# Allegro board 1155001-Timing_board_V3_20241024_1805_pcb.brd (continued)
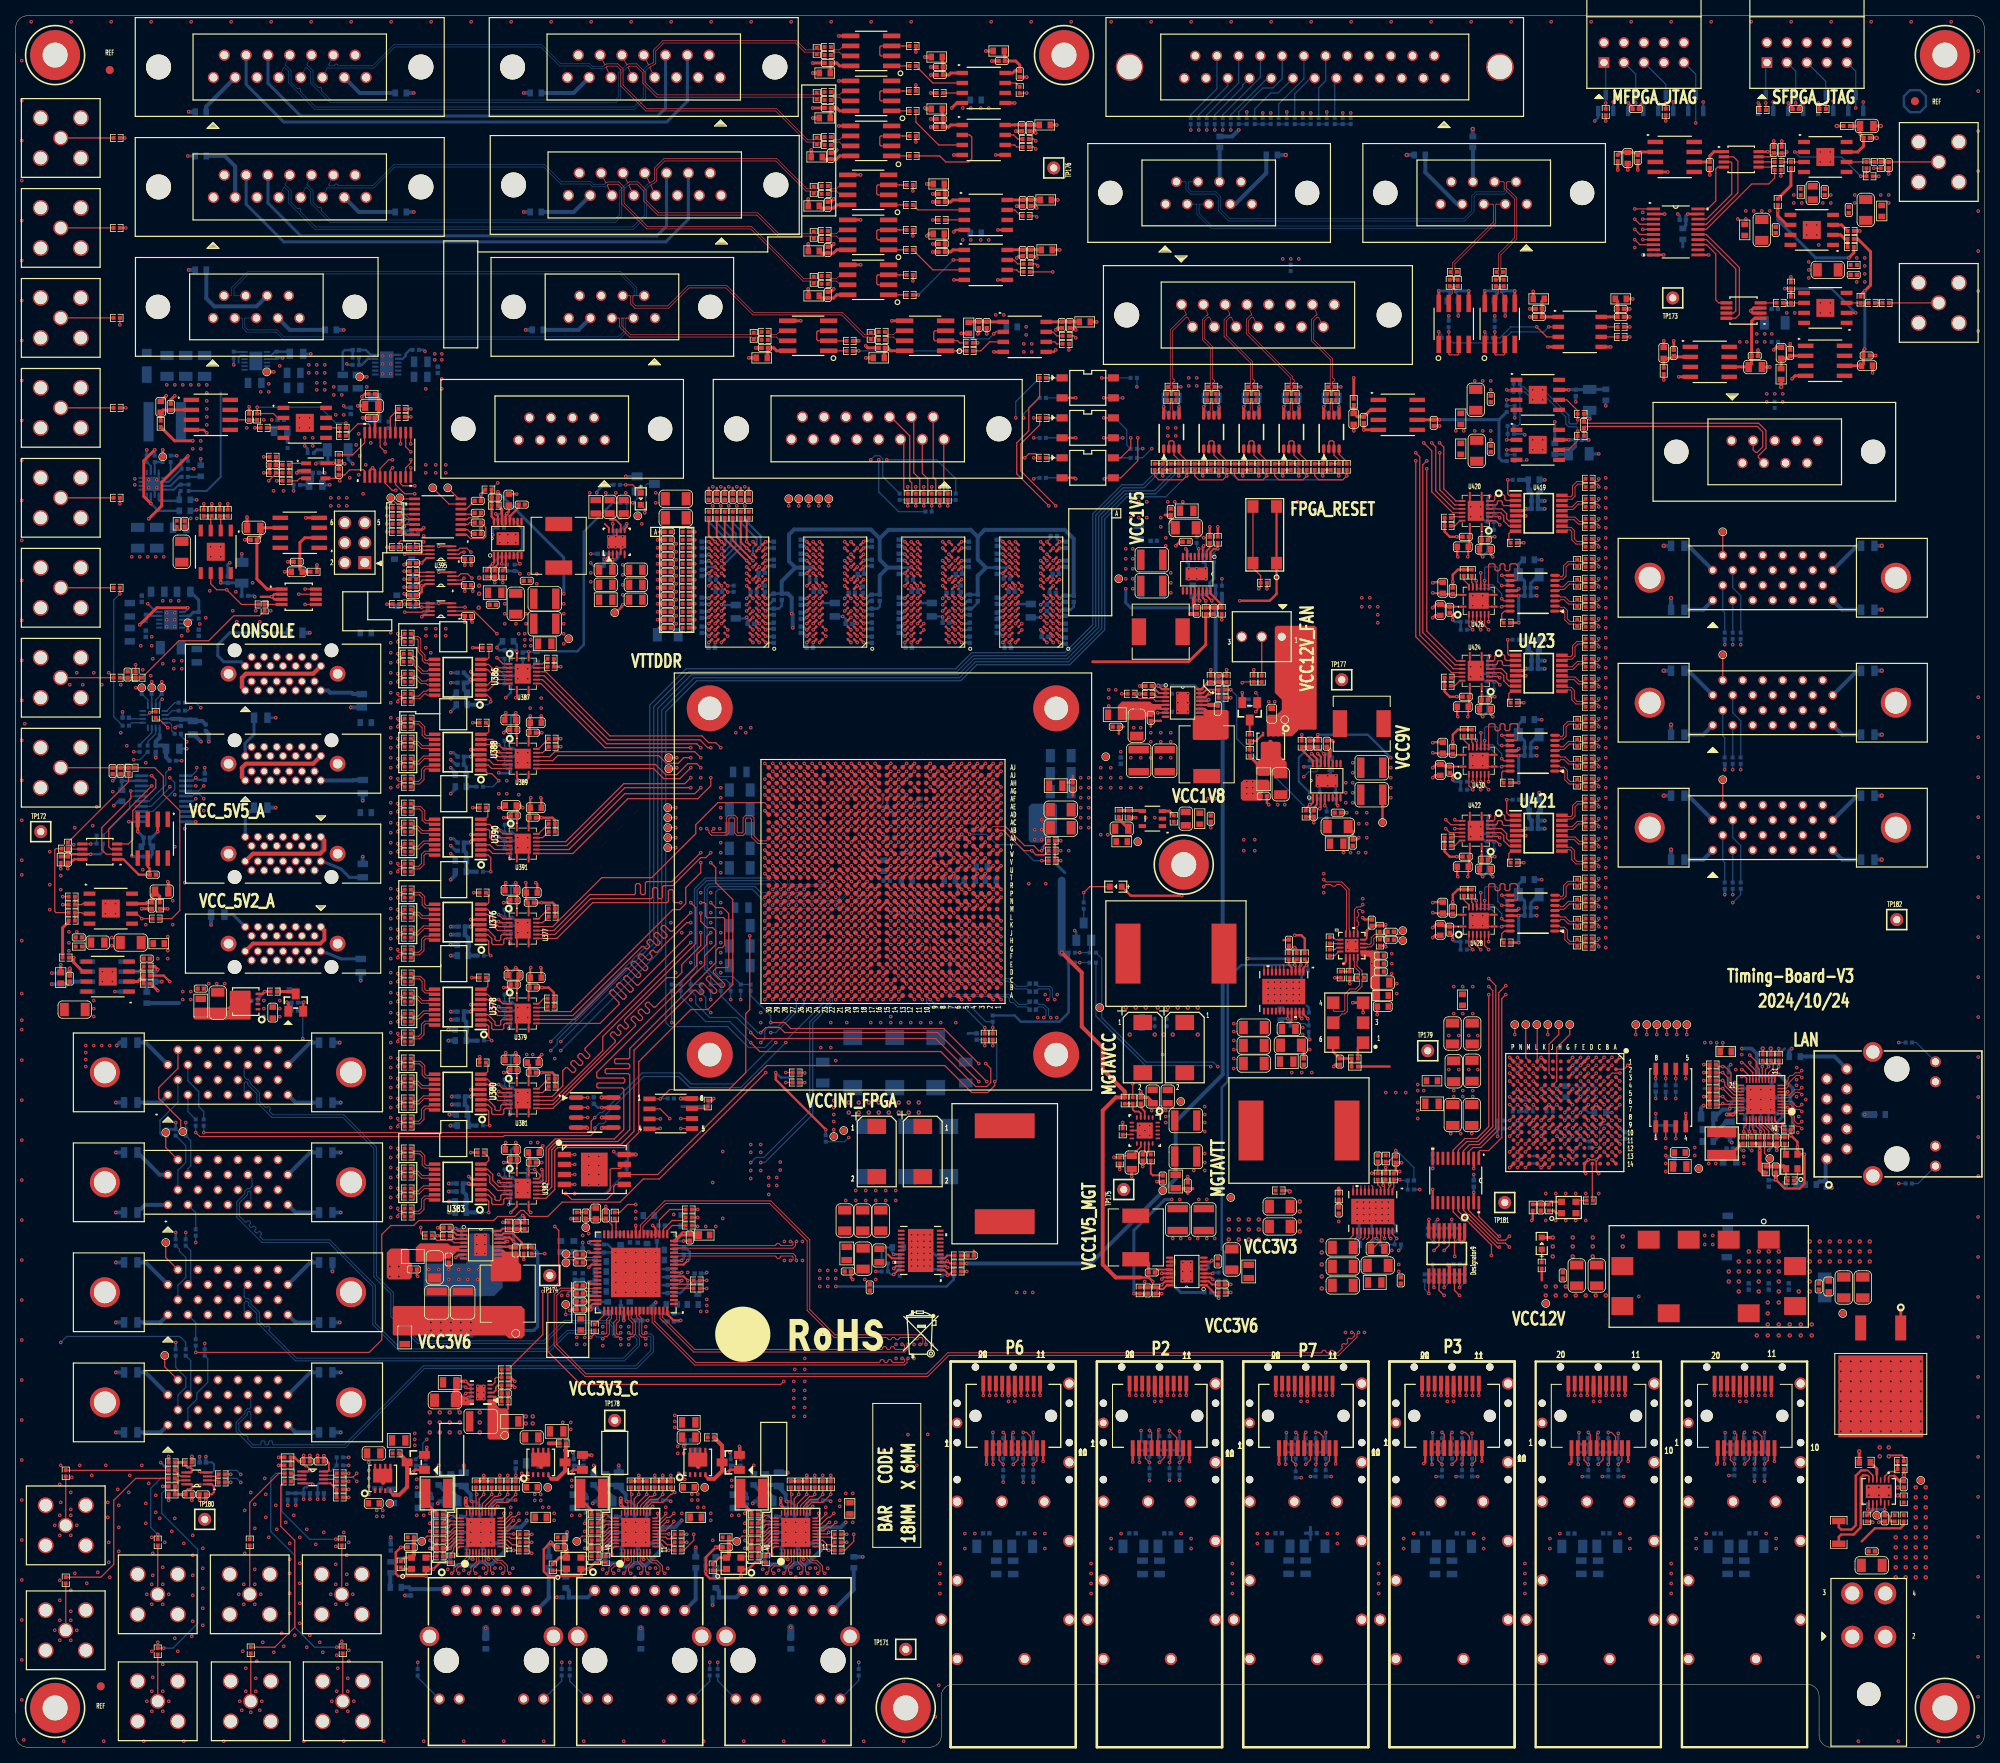
[diagram p0: board, top side]
## Routing (per net, layer and track width the routed paths; a pad name or vN(x,y) marks a point on that pad's centre or on a via; arc(x,y) is an arc through that point) (continued)
RF_MOD_IN_FIXED_7_N: length 31.3
  TOP w0.122: v1(201.04,127.13) 201.04,127.35 200.92,127.47 200.51,127.47 R3324.1
  ART10 w0.099: J114.18 221.01,133.27 221.01,132.01 220.91,131.91 220.66,131.91 219.11,130.37 219.11,129.63 218.26,128.78 211.94,128.78 211.62,129.1 206.67,129.1 206.37,128.8 206.37,127.42 206.27,127.32 205.88,127.32 205.78,127.42 205.78,128.8 205.48,129.1 200.49,129.1 200.19,128.8 200.19,127.59 200.49,127.29 200.88,127.29 v1(201.04,127.13)
RF_MOD_IN_FIXED_7_P: length 31.3
  TOP w0.122: v1(201.04,128.14) 201.04,127.92 200.92,127.8 200.51,127.8 R3323.1
  ART10 w0.099: J114.5 221.01,130.26 221.01,131.47 220.91,131.57 220.8,131.57 219.46,130.23 219.46,129.49 218.4,128.44 211.8,128.44 211.48,128.75 206.81,128.75 206.71,128.65 206.71,127.27 206.41,126.97 205.73,126.97 205.43,127.27 205.43,128.65 205.33,128.75 204.48,128.75 204.39,128.65 204.39,128.6 204.29,128.5 204.09,128.5 203.99,128.6 203.99,128.65 203.89,128.75 203.69,128.75 203.59,128.65 203.59,128.6 203.49,128.5 203.3,128.5 203.2,128.6 203.2,128.65 203.1,128.75 202.9,128.75 202.8,128.65 202.8,128.6 202.7,128.5 202.5,128.5 202.4,128.6 202.4,128.65 202.31,128.75 200.63,128.75 200.53,128.65 200.53,127.73 200.63,127.64 200.94,127.64 201.04,127.73 v1(201.04,128.14)
RF_MOD_IN_FIXED_7_P_S: length 7.9
  TOP w0.157: U429.11 v1(188.72,127.28) ; U430.11 v1(186.55,127.89)
  BOTTOM w0.157: v1(186.55,127.89) 186.55,129.51 186.71,129.67 188.06,129.67 188.22,129.51 188.22,127.51 188.44,127.28 v1(188.72,127.28)
RF_MOD_IN_FIXED_7_P_S_C: length 167.1
  TOP w0.157: v1(187.05,121.67) 186.55,122.17 U430.6 ; U247.AK20 v1(105.14,125)
  ART05 w0.117: v1(105.14,125) 105.14,126.29 92.81,138.62 86.52,138.62 85.5,139.65 85.5,154.46 86.74,155.7 129.91,155.7 130.65,156.44 135.79,156.44 138.68,153.54 142.49,153.54 144.27,151.76 158.88,151.76 180.59,130.05 180.59,129.78 180.48,129.67 180.05,129.67 179.93,129.55 179.93,129.32 180.05,129.2 180.48,129.2 180.59,129.08 180.59,128.85 180.48,128.73 180.05,128.73 179.93,128.62 179.93,128.38 180.05,128.27 180.48,128.27 180.59,128.15 180.59,126.11 183.39,123.32 183.39,121.79 184.53,120.65 186.03,120.65 v1(187.05,121.67)
RF_MOD_IN_VARIABLE: length 22
  TOP w0.157: v1(51.56,144.85) U396.6
  ART08 w0.117: J115.5 43.05,154.32 43.05,152.65 42.29,151.89 41.26,151.89 40.64,151.27 40.64,149.73 44.58,145.8 50.62,145.8 v1(51.56,144.85)
RF_MOD_IN_VARIABLE_1_N: length 140.9
  TOP w0.122: U247.V30 v1(95.14,113)
  ART10 w0.099: 94.64,113.4 94.61,113.4 94.54,113.33 94.28,113.33 92.84,111.89 92.84,110.62 89.95,107.73 76.47,107.73 66.82,98.08 60.61,98.08 56.83,94.31 55.04,94.31 49.29,88.56 47.54,88.56 46.44,87.46 46.44,81.52 44.92,79.99 44.92,52.44 42.05,49.57 39.37,49.57 39.07,49.87 39.07,51.19 38.94,51.32 38.57,51.32 38.47,51.22 38.47,49.87 38.17,49.57 37.49,49.57 37.19,49.87 37.19,51.19 37.07,51.32 36.7,51.32 36.6,51.22 36.6,49.87 36.3,49.57 35.62,49.57 35.32,49.87 35.32,51.19 35.19,51.32 34.82,51.32 34.72,51.22 34.72,49.87 34.42,49.57 33.74,49.57 33.44,49.87 33.44,51.19 33.32,51.32 32.95,51.32 32.85,51.22 32.85,49.87 32.55,49.57 31.87,49.57 31.57,49.87 31.57,51.19 31.44,51.32 31.07,51.32 30.97,51.22 30.97,49.87 30.67,49.57 26.43,49.57 24.6,47.74 24.6,46.19 23.14,44.73 22.86,44.73 22.76,44.62 22.76,43.97 23.14,43.59 J62.4
  ART10 w0.102: 94.64,113.4 95.37,113.4 95.54,113.23 95.54,113.13 95.4,113 v1(95.14,113)
RF_MOD_IN_VARIABLE_1_P: length 141.4
  TOP w0.122: U247.V29 v1(96.14,113)
  ART10 w0.099: J62.17 23.14,46.08 22.73,45.67 22.73,45.19 22.86,45.07 23,45.07 24.26,46.33 24.26,47.88 26.29,49.91 27.21,49.91 27.39,50.09 27.61,50.09 27.79,49.91 28.01,49.91 28.19,50.09 28.4,50.09 28.58,49.91 28.8,49.91 28.98,50.09 29.2,50.09 29.38,49.91 30.53,49.91 30.63,50.01 30.63,51.36 30.93,51.66 31.59,51.66 31.91,51.33 31.91,50.01 32.01,49.91 32.41,49.91 32.5,50.01 32.5,51.36 32.8,51.66 33.46,51.66 33.78,51.33 33.78,50.01 33.88,49.91 34.28,49.91 34.38,50.01 34.38,51.36 34.68,51.66 35.33,51.66 35.66,51.33 35.66,50.01 35.76,49.91 36.15,49.91 36.25,50.01 36.25,51.36 36.55,51.66 37.21,51.66 37.53,51.33 37.53,50.01 37.63,49.91 38.03,49.91 38.13,50.01 38.13,51.36 38.43,51.66 39.08,51.66 39.41,51.33 39.41,50.01 39.51,49.91 41.91,49.91 44.58,52.58 44.58,80.14 46.1,81.66 46.1,87.6 47.4,88.9 49.15,88.9 54.9,94.65 56.69,94.65 60.46,98.42 66.67,98.42 76.33,108.08 89.81,108.08 92.49,110.76 92.49,112.03 94.14,113.67 94.54,113.67 94.61,113.6 94.64,113.6
  ART10 w0.102: 94.64,113.6 95.45,113.6 95.74,113.32 95.74,113.1 95.84,113 v1(96.14,113)
RF_MOD_IN_VARIABLE_2_N: length 114.8
  TOP w0.122: U247.J26 v1(99.14,103)
  ART08 w0.099: 94.64,101.6 94.64,101.6 94.57,101.67 94.35,101.67 93.85,101.17 93.85,97.28 92.58,96.01 92.58,92.55 92.3,92.26 92.3,86.22 89.4,83.32 71.89,83.32 66.42,77.85 65.28,77.85 64.49,77.06 64.49,76.15 62.09,73.75 61.26,73.75 60.2,72.69 60.2,71.37 57.66,68.83 53.85,68.83 52.45,67.44 51.44,67.44 48.77,64.77 24.74,64.77 20.95,68.56 20.95,69.29 22,70.33 22,71.04 23.1,72.15 23.1,72.43 23.23,72.56 23.42,72.56 23.52,72.46 23.52,71.2 J73.4 ; 99.54,101.87 99.54,102.11
  ART08 w0.102: v1(99.14,103) 99.14,103.3 99.24,103.4 99.39,103.4 99.54,103.25 99.54,102.11 ; 94.64,101.6 99.41,101.6 99.54,101.73 99.54,101.87
RF_MOD_IN_VARIABLE_2_P: length 117.4
  TOP w0.122: U247.K26 v1(99.14,104)
  ART08 w0.099: 94.64,101.33 94.5,101.33 94.2,101.03 94.2,97.14 92.93,95.87 92.93,92.41 92.64,92.12 92.64,86.08 89.54,82.98 72.04,82.98 66.56,77.51 65.42,77.51 64.83,76.92 64.83,76 62.23,73.41 61.4,73.41 60.54,72.54 60.54,71.23 57.8,68.49 53.99,68.49 52.59,67.09 51.58,67.09 48.91,64.43 24.6,64.43 23.53,65.49 23.39,65.49 23.35,65.46 23.21,65.46 23.07,65.6 23.07,65.74 23.11,65.77 23.11,65.91 22.97,66.05 22.83,66.05 22.79,66.02 22.65,66.02 22.51,66.16 22.51,66.3 22.55,66.34 22.55,66.48 22.41,66.62 22.27,66.62 22.23,66.58 22.09,66.58 21.95,66.72 21.95,66.86 21.99,66.9 21.99,67.04 20.61,68.41 20.61,69.43 21.65,70.47 21.65,71.18 22.76,72.29 22.76,72.58 23.08,72.9 23.42,72.9 23.52,73 23.52,74.26 J73.17
  ART08 w0.102: v1(99.14,104) 99.14,103.7 99.24,103.6 99.47,103.6 99.74,103.33 99.74,101.64 99.5,101.4 94.73,101.4 94.66,101.33 94.64,101.33
RF_MOD_IN_VARIABLE_3_N: length 109.5
  TOP w0.122: U247.AC27 v1(98.14,118)
  ART10 w0.099: 94.64,117.6 94.61,117.6 94.54,117.67 91.26,117.67 89.79,116.2 85.37,116.2 84.31,115.15 80.12,115.15 65.52,100.55 61.24,100.55 57.43,96.74 53.07,96.74 50.53,94.2 47.08,94.2 44.74,91.86 44.74,83.71 39.35,78.32 28.24,78.32 28.14,78.42 28.14,78.62 28.04,78.71 27.85,78.71 27.75,78.62 27.75,78.42 27.65,78.32 27.45,78.32 27.35,78.42 27.35,78.62 27.25,78.71 27.05,78.71 26.95,78.62 26.95,78.42 26.86,78.32 26.66,78.32 26.56,78.42 26.56,78.62 26.46,78.71 26.26,78.71 26.16,78.62 26.16,78.42 26.06,78.32 25.18,78.32 20.95,82.55 20.95,83.31 22.1,84.45 22.1,85.21 23.29,86.4 23.41,86.4 23.52,86.3 23.52,85.77 23.14,85.39 J74.4
  ART10 w0.102: v1(98.14,118) 98.14,117.7 98.04,117.6 94.64,117.6
RF_MOD_IN_VARIABLE_3_P: length 109.2
  TOP w0.122: U247.AB27 v1(98.14,117)
  ART10 w0.099: J74.17 23.14,87.88 23.52,87.5 23.52,86.84 23.42,86.74 23.15,86.74 21.76,85.35 21.76,84.6 20.61,83.45 20.61,82.41 25.04,77.98 39.5,77.98 45.09,83.57 45.09,91.72 47.22,93.85 50.67,93.85 53.21,96.39 57.57,96.39 61.38,100.2 65.66,100.2 80.26,114.81 84.45,114.81 85.51,115.86 89.93,115.86 91.4,117.33 94.54,117.33 94.61,117.4 94.64,117.4
  ART10 w0.102: 94.64,117.4 98.04,117.4 98.14,117.3 v1(98.14,117)
RF_MOD_IN_VARIABLE_4_N: length 133.5
  TOP w0.122: U247.P22 v1(104.14,108)
  ART08 w0.099: J94.4 23.52,57.23 23.52,58.62 23.42,58.72 23.28,58.72 23.18,58.62 23.18,58.26 22.19,57.26 22.19,56.53 23.2,55.51 23.2,53.86 23.85,53.22 23.99,53.22 24.19,53.42 24.33,53.42 24.47,53.28 24.47,53.14 24.27,52.94 24.27,52.8 24.41,52.66 24.55,52.66 24.75,52.86 24.89,52.86 25.03,52.72 25.03,52.58 24.83,52.38 24.83,52.24 24.97,52.1 25.11,52.1 25.31,52.3 25.45,52.3 25.59,52.16 25.59,52.02 25.39,51.82 25.39,51.68 26.05,51.02 44.54,51.02 53.72,60.2 55.12,60.2 55.5,60.58 55.5,61.09 56.52,62.1 60.45,62.1 61.85,63.5 64.64,63.5 70.74,69.6 75.21,69.6 82.41,76.8 90.04,76.8 92.2,78.96 93.15,78.96 98.81,84.62 98.81,86.67 104.06,91.92 104.06,92.41 103.45,93.01 103.45,93.58
  ART08 w0.102: v1(104.14,108) 104.14,108.3 104.24,108.4 106.47,108.4 106.54,108.33 106.54,106.77 106.37,106.6 103.83,106.6 103.54,106.3 103.54,94.64 103.53,94.61 103.46,94.54 103.46,94.53 103.45,94.39 103.45,93.58
RF_MOD_IN_VARIABLE_4_P: length 133.1
  TOP w0.122: U247.P21 v1(104.14,109)
  ART08 w0.099: 103.8,93.58 103.8,93.56 103.8,93.55 103.8,93.44 103.8,93.43 103.8,93.15 104.4,92.55 104.4,91.78 99.15,86.53 99.15,84.47 93.29,78.61 92.34,78.61 90.19,76.45 82.55,76.45 75.35,69.25 70.88,69.25 64.79,63.16 61.99,63.16 60.59,61.76 56.66,61.76 55.84,60.94 55.84,60.44 55.26,59.86 53.86,59.86 44.68,50.67 25.91,50.67 22.86,53.72 22.86,55.37 21.84,56.39 21.84,57.4 22.84,58.4 22.84,58.76 23.14,59.06 23.42,59.06 23.52,59.16 23.52,60.29 J94.17
  ART08 w0.102: 103.8,93.58 103.8,94.38 103.81,94.53 103.74,94.6 103.74,94.63 103.74,106.22 103.92,106.4 106.45,106.4 106.74,106.69 106.74,108.45 106.59,108.6 104.24,108.6 104.14,108.7 v1(104.14,109)
RF_MOD_IN_VARIABLE_5_N: length 29.4
  TOP w0.122: v1(201.04,151) 201.04,150.78 200.92,150.66 200.51,150.66 R3310.1
  ART10 w0.099: J112.4 219.74,148.04 219.74,149.32 219.64,149.42 219.3,149.42 217.92,150.8 217.92,152.01 217.5,152.43 212.7,152.43 212.6,152.33 212.6,151.38 212.3,151.08 211.62,151.08 211.32,151.38 211.32,152.33 211.22,152.43 210.77,152.43 209.94,151.59 205.21,151.59 205.11,151.49 205.11,151.46 205.01,151.36 204.81,151.36 204.71,151.46 204.71,151.49 204.62,151.59 204.42,151.59 204.32,151.49 204.32,151.46 204.22,151.36 204.02,151.36 203.92,151.46 203.92,151.49 203.82,151.59 203.62,151.59 203.53,151.49 203.53,151.46 203.43,151.36 203.23,151.36 203.13,151.46 203.13,151.49 203.03,151.59 202.83,151.59 202.73,151.49 202.73,151.46 202.63,151.36 202.44,151.36 202.34,151.46 202.34,151.49 202.24,151.59 200.82,151.59 200.53,151.3 200.53,150.74 200.63,150.64 200.94,150.64 201.04,150.74 v1(201.04,151)
RF_MOD_IN_VARIABLE_5_P: length 29.4
  TOP w0.122: v1(201.04,149.99) 201.04,150.21 200.92,150.33 200.51,150.33 R3309.1
  ART10 w0.099: J112.17 219.74,151.04 219.74,149.91 219.59,149.76 219.45,149.76 218.26,150.95 218.26,152.15 217.64,152.77 212.56,152.77 212.26,152.47 212.26,151.52 212.16,151.42 211.76,151.42 211.66,151.52 211.66,152.47 211.36,152.77 210.63,152.77 209.8,151.94 200.68,151.94 200.19,151.45 200.19,150.6 200.49,150.3 200.94,150.3 201.04,150.2 v1(201.04,149.99)
RF_MOD_IN_VARIABLE_5_P_S: length 12.3
  TOP w0.157: U426.10 187.05,150.21 187.21,150.37 187.71,150.37 187.87,150.21 187.87,149.64 188.02,149.48 188.34,149.48 188.5,149.64 188.5,150.21 188.65,150.37 188.97,150.37 189.13,150.21 189.13,149.64 189.28,149.48 189.6,149.48 189.76,149.64 189.76,150.21 189.91,150.37 190.5,150.37 190.75,150.11 190.75,148.41 190.6,148.25 U425.10
RF_MOD_IN_VARIABLE_5_P_S_C: length 159.5
  TOP w0.157: U426.7 v1(187.05,143) ; U247.AK25 v1(100.14,125)
  ART05 w0.117: v1(187.05,143) 187.05,143.33 185.93,144.45 183.77,144.45 180.77,147.45 179.51,147.45 179.4,147.33 179.4,146.8 179.28,146.69 179.05,146.69 178.93,146.8 178.93,147.33 178.81,147.45 178.58,147.45 178.46,147.33 178.46,146.8 178.34,146.69 178.11,146.69 177.99,146.8 177.99,147.33 177.88,147.45 167.51,147.45 155.85,159.11 137.49,159.11 136.96,159.64 129.34,159.64 128.5,158.8 85.47,158.8 82.46,155.79 82.46,154.34 81.94,153.82 81.94,139.45 85.5,135.89 91.62,135.89 100.14,127.37 v1(100.14,125)
RF_MOD_IN_VARIABLE_6_N: length 33.9
  TOP w0.122: R3318.1 200.51,110.02 200.92,110.02 201.04,110.14 v1(201.04,110.36)
  ART10 w0.099: v1(201.04,110.36) 201.04,110.13 200.92,110 200.63,110 200.53,110.1 200.53,110.78 200.71,110.95 202.18,110.95 202.28,110.85 202.28,110.82 202.38,110.72 202.58,110.72 202.68,110.82 202.68,110.85 202.78,110.95 202.98,110.95 203.07,110.85 203.07,110.82 203.17,110.72 203.37,110.72 203.47,110.82 203.47,110.85 203.57,110.95 203.77,110.95 203.87,110.85 203.87,110.82 203.97,110.72 204.16,110.72 204.26,110.82 204.26,110.85 204.36,110.95 204.56,110.95 204.66,110.85 204.66,110.82 204.76,110.72 204.96,110.72 205.06,110.82 205.06,110.85 205.16,110.95 212.64,110.95 212.94,111.25 212.94,112.05 213.04,112.15 213.44,112.15 213.54,112.05 213.54,111.25 213.84,110.95 214.52,110.95 214.82,111.25 214.82,112.05 214.92,112.15 215.31,112.15 215.41,112.05 215.41,111.25 215.71,110.95 216.74,110.95 217.04,111.25 217.04,114.3 218.19,115.44 218.19,116.08 219.36,117.25 219.36,117.57 219.46,117.67 219.64,117.67 219.74,117.57 219.74,116.29 J113.4
RF_MOD_IN_VARIABLE_6_P: length 33.9
  TOP w0.122: R3317.1 200.51,109.69 200.92,109.69 201.04,109.57 v1(201.04,109.35)
  ART10 w0.099: J113.17 219.74,119.29 219.74,118.16 219.59,118.01 219.31,118.01 219.01,117.71 219.01,117.39 217.84,116.22 217.84,115.59 216.7,114.44 216.7,111.4 216.6,111.3 215.85,111.3 215.75,111.4 215.75,112.2 215.46,112.5 214.77,112.5 214.47,112.2 214.47,111.4 214.38,111.3 213.98,111.3 213.88,111.4 213.88,112.2 213.58,112.5 212.9,112.5 212.6,112.2 212.6,111.4 212.5,111.3 200.57,111.3 200.19,110.92 200.19,109.96 200.49,109.66 200.94,109.66 201.04,109.56 v1(201.04,109.35)
RF_MOD_IN_VARIABLE_6_P_S: length 12.3
  TOP w0.157: U427.10 190.6,107.61 190.76,107.77 190.76,109.47 190.5,109.73 189.91,109.73 189.76,109.57 189.76,109 189.6,108.84 189.28,108.84 189.13,109 189.13,109.57 188.97,109.73 188.65,109.73 188.5,109.57 188.5,109 188.34,108.84 188.03,108.84 187.87,109 187.87,109.57 187.71,109.73 187.21,109.73 187.05,109.57 U428.10
RF_MOD_IN_VARIABLE_6_P_S_C: length 193.3
  TOP w0.157: U247.AK24 v1(101.14,125) ; U428.7 v1(187.05,102.36)
  ART03 w0.117: v1(187.05,102.36) 186.55,101.86 186.56,101.85 186.56,101.22 186.18,100.84 184.78,100.84 183.64,101.98 183.64,102.36 182.63,103.37 182.47,103.37 181.62,102.52 181.45,102.52 181.29,102.68 181.29,102.85 182.14,103.7 182.14,103.87 181.97,104.03 181.81,104.03 180.96,103.18 180.79,103.18 180.63,103.35 180.63,103.51 181.48,104.36 181.48,104.53 181.31,104.69 181.15,104.69 180.74,104.29 180.57,104.29 180.41,104.45 180.41,104.62 180.82,105.02 180.82,105.19 180.47,105.54 179.57,105.54 179.45,105.65 179.45,106.55 178.33,107.67 178.33,139.12 176.56,140.9 176.56,142.72 171.28,148 147.82,148 147.06,148.76 142.87,148.76 142.36,149.27 137.54,149.27 132.83,153.97 87.84,153.97 87.3,153.44 87.3,136.58 85.34,134.61 85.34,130.79 86.97,129.16 89.66,129.16 92.21,126.61 99.83,126.61 101.14,125.3 v1(101.14,125)
RF_MOD_IN_VARIABLE_7_N: length 30.2
  TOP w0.122: R3326.1 200.51,130.34 200.92,130.34 201.04,130.46 v1(201.04,130.68)
  ART10 w0.099: J114.4 219.74,132.16 219.74,133.45 219.64,133.54 219.3,133.54 217.92,134.93 217.92,136.13 217.65,136.4 215.52,136.4 214.12,135 213.31,135 213.01,135.3 213.01,135.75 212.91,135.85 212.51,135.85 212.41,135.75 212.41,135.3 212.11,135 206.05,135 204.59,133.54 204.59,133.4 204.61,133.38 204.61,133.24 204.47,133.1 204.33,133.1 204.31,133.12 204.17,133.12 204.03,132.98 204.03,132.84 204.05,132.82 204.05,132.68 203.91,132.54 203.77,132.54 203.75,132.56 203.61,132.56 203.47,132.42 203.47,132.28 203.49,132.26 203.49,132.12 203.35,131.98 203.21,131.98 203.19,132 203.05,132 202.91,131.86 202.91,131.72 202.93,131.7 202.93,131.56 202.79,131.42 202.65,131.42 202.63,131.44 202.49,131.44 202.32,131.27 200.63,131.27 200.53,131.17 200.53,130.45 200.66,130.32 200.94,130.32 201.04,130.42 v1(201.04,130.68)
RF_MOD_IN_VARIABLE_7_P: length 30.2
  TOP w0.122: v1(201.04,129.67) 201.04,129.89 200.92,130.01 200.51,130.01 R3325.1
  ART10 w0.099: J114.17 219.74,135.17 219.74,134.04 219.59,133.89 219.45,133.89 218.26,135.07 218.26,136.27 217.79,136.74 215.38,136.74 213.98,135.34 213.45,135.34 213.35,135.44 213.35,135.9 213.05,136.19 212.37,136.19 212.07,135.9 212.07,135.44 211.97,135.34 205.91,135.34 202.18,131.62 200.49,131.62 200.19,131.32 200.19,130.3 200.52,129.98 200.94,129.98 201.04,129.88 v1(201.04,129.67)
RF_MOD_IN_VARIABLE_7_P_S: length 12.3
  TOP w0.157: U429.10 190.6,127.93 190.76,128.09 190.76,129.89 190.6,130.05 189.91,130.05 189.76,129.89 189.76,129.32 189.6,129.16 189.28,129.16 189.13,129.32 189.13,129.89 188.97,130.05 188.65,130.05 188.5,129.89 188.5,129.32 188.34,129.16 188.03,129.16 187.87,129.32 187.87,129.89 187.71,130.05 187.21,130.05 187.05,129.89 U430.10
RF_MOD_IN_VARIABLE_7_P_S_C: length 166.8
  TOP w0.157: U430.7 v1(187.05,122.68) ; U247.AK21 v1(104.14,125)
  ART05 w0.117: v1(104.14,125) 104.14,125.95 92.31,137.78 86.15,137.78 84.45,139.47 84.45,155.1 85.93,156.58 129.28,156.58 130,157.3 136.32,157.3 139.06,154.56 157.61,154.56 181.61,130.56 181.61,129.05 181.73,128.93 182.64,128.93 182.75,128.82 182.75,128.58 182.64,128.47 181.73,128.47 181.61,128.35 181.61,126.62 184.53,123.7 184.53,122.43 184.78,122.17 186.54,122.17 v1(187.05,122.68)
RF_MOD_IN_VARIABLE_LS: length 67.3
  TOP w0.122: U247.K30 v1(95.14,104)
  TOP w0.157: v1(57.05,144.85) U396.3
  ART03 w0.117: v1(57.05,144.85) 57.74,144.85 59.69,142.9 59.69,137.92 61.59,136.02 61.59,130.43 62.92,129.11 62.92,122.71 63.65,121.97 64.72,121.97 66.8,119.89 67.18,119.89 81.67,105.4 86.98,105.4 88.38,104 v1(95.14,104)
RF_READY: length 8.7
  TOP w0.157: v1(51.56,152.1) 51.57,152.09 U394.6
  ART08 w0.117: J115.3 50.61,153.05 v1(51.56,152.1)
RF_READY_LS: length 75.8
  TOP w0.122: U247.M27 v1(99.14,107)
  TOP w0.157: U394.3 56.16,152.09 56.41,152.35 57.3,152.35 v1(57.81,151.84)
  ART03 w0.117: v1(88.27,108.58) 87.79,109.06 80.05,109.06 64.59,124.51 64.59,137.59 61.59,140.59 61.59,141.73 61.18,142.15 61.18,145.32 60.07,146.43 60.07,149.58 v1(57.81,151.84)
  ART05 w0.102: v1(99.14,107) 98.68,107.46 98.68,108.2 98.48,108.4 94.87,108.4
  ART05 w0.117: v1(88.27,108.58) 88.45,108.4 94.87,108.4
RF_SYNC: length 18.8
  TOP w0.157: U396.7 51.77,144.35 51.64,144.22 v1(49.4,144.22)
  ART08 w0.117: v1(49.4,144.22) 45.52,144.22 40.26,149.48 40.26,151.53 J115.4
RF_SYNC_1_N_C: length 47.9
  TOP w0.122: R2948.2 49.04,72.86 48.64,72.86 48.51,72.74 v1(48.51,72.52)
  ART03 w0.099: J62.23 29.97,47.46 29.97,48.64 30.5,49.17 30.74,49.17 30.9,49.33 30.9,49.57 31.06,49.73 31.3,49.73 31.46,49.89 31.46,50.13 31.77,50.44 32.43,50.44 32.53,50.34 32.53,49.99 32.63,49.89 32.82,49.89 32.92,49.99 32.92,50.34 33.02,50.44 33.75,50.44 34.8,51.48 34.94,51.48 35.34,51.08 35.76,51.08 36.24,51.56 36.24,51.99 35.84,52.39 35.84,52.53 36.12,52.81 36.26,52.81 36.67,52.41 37.09,52.41 37.57,52.89 37.57,53.31 37.17,53.71 37.17,53.85 38.17,54.85 38.84,54.85 38.94,54.75 38.94,54.49 39.04,54.39 39.24,54.39 39.34,54.49 39.34,54.75 39.44,54.85 39.64,54.85 39.73,54.75 39.73,54.49 39.83,54.39 40.03,54.39 40.13,54.49 40.13,54.75 40.23,54.85 40.43,54.85 40.53,54.75 40.53,54.49 40.63,54.39 40.82,54.39 40.92,54.49 40.92,54.75 41.02,54.85 41.22,54.85 41.32,54.75 41.32,54.49 41.42,54.39 41.62,54.39 41.72,54.49 41.72,54.75 41.81,54.85 42.01,54.85 42.11,54.75 42.11,54.49 42.21,54.39 42.41,54.39 42.51,54.49 42.51,54.75 42.61,54.85 43.32,54.85 45.72,57.25 45.72,69.47 46.35,70.1 46.35,71.75 47.46,72.85 48.18,72.85 v1(48.51,72.52)
RF_SYNC_1_P: length 76.3
  TOP w0.122: U247.N27 v1(98.14,107)
  TOP w0.157: v1(87,107.31) 87.47,107.31 87.63,107.16 87.63,105.57 87.79,105.41 89.89,105.41 90.04,105.25 90.04,101.91 89.73,101.6 89.28,101.6 88.9,101.22 88.9,99.69 77.98,88.77 77.98,87.63 77.82,87.48 76.21,87.48 76.05,87.32 76.05,87 76.21,86.85 77.82,86.85 77.98,86.69 77.98,86.37 77.82,86.22 75.01,86.22 74.85,86.06 74.85,85.74 75.01,85.59 77.82,85.59 77.98,85.43 77.98,78.49 76.45,76.96 68.65,76.96 67.69,76.01 67.69,71.52 66.92,70.75 U382.12
  ART05 w0.102: 94.73,107.71 94.84,107.6 97.54,107.6 v1(98.14,107)
  ART05 w0.117: v1(87,107.31) 87.5,107.82 94.61,107.82 94.73,107.71
RF_SYNC_1_P_C: length 47.9
  TOP w0.122: R2947.2 49.04,73.19 48.64,73.19 48.51,73.31 v1(48.51,73.53)
  ART03 w0.099: J62.10 30.48,43.13 30.48,45.34 29.63,46.19 29.63,48.78 31.63,50.78 33.61,50.78 34.65,51.83 35.08,51.83 35.48,51.42 35.62,51.42 35.9,51.7 35.9,51.84 35.5,52.25 35.5,52.67 35.98,53.15 36.4,53.15 36.81,52.75 36.95,52.75 37.23,53.03 37.23,53.17 36.83,53.57 36.83,54 38.02,55.19 43.18,55.19 45.38,57.39 45.38,69.61 46.01,70.25 46.01,71.89 47.32,73.2 48.18,73.2 v1(48.51,73.53)
RF_SYNC_1_P_H: length 4.9
  TOP w0.157: U382.5 61.21,70.75 60.2,71.75 60.2,72.52 59.92,72.79 U383.6
RF_SYNC_2_N_C: length 42.8
  TOP w0.122: v1(48.51,94.74) 48.51,94.96 48.64,95.08 49.04,95.08 R2900.2
  ART03 w0.099: v1(48.51,94.74) 48.18,95.08 47.07,95.08 42.16,90.17 41.02,90.17 37.11,86.26 37.11,85.68 37.21,85.58 38.61,85.58 38.91,85.28 38.91,84.6 38.61,84.3 37.21,84.3 37.11,84.2 37.11,83.8 37.21,83.7 38.61,83.7 38.91,83.4 38.91,82.72 38.61,82.42 37.21,82.42 37.11,82.32 37.11,81.87 35.45,80.22 35.45,80.08 35.56,79.97 35.56,79.83 35.42,79.69 35.28,79.69 35.17,79.8 35.03,79.8 34.89,79.66 34.89,79.52 35,79.41 35,79.27 34.86,79.13 34.71,79.13 34.61,79.24 34.47,79.24 33.62,78.38 32.64,78.38 32.33,78.07 32.33,77.93 32.7,77.56 32.7,77.42 32.56,77.28 32.42,77.28 32.05,77.65 31.91,77.65 31.77,77.51 31.77,77.37 32.14,77 32.14,76.86 32,76.72 31.86,76.72 31.49,77.09 31.35,77.09 31.21,76.95 31.21,76.81 31.55,76.47 31.55,76.33 31.41,76.19 31.27,76.19 30.93,76.53 30.79,76.53 29.93,75.67 29.93,75.39 30.69,74.64 J73.23
RF_SYNC_2_P: length 55
  TOP w0.122: U247.V21 v1(104.14,113)
  TOP w0.157: U379.12 70.75,92.97 79.52,101.74 79.74,101.74 80.02,101.46 80.25,101.46 80.47,101.68 80.47,101.9 80.18,102.19 80.18,102.41 80.41,102.63 80.63,102.63 81.36,101.9 81.58,101.9 81.81,102.13 81.81,102.35 81.08,103.08 81.08,103.3 81.3,103.52 81.52,103.52 82.25,102.79 82.47,102.79 82.7,103.02 82.7,103.24 81.97,103.97 81.97,104.19 82.19,104.41 82.41,104.41 83.14,103.68 83.36,103.68 v1(85.72,106.05)
  ART08 w0.102: v1(104.14,113) 103.63,112.49 103.63,110.62 103.5,110.49 103,110.49 102.62,110.11 102.62,109.73 102.36,109.47 101.98,109.47 100.71,108.2 100.71,107.95
  ART08 w0.117: 100.71,107.95 100.71,107.7 100.51,107.5 90.86,107.5 90.04,106.68 86.36,106.68 v1(85.72,106.05)
RF_SYNC_2_P_C: length 42.8
  TOP w0.122: v1(48.51,95.76) 48.51,95.54 48.64,95.42 49.04,95.42 R2899.2
  ART03 w0.099: J73.10 30.45,71.12 30.45,73.18 29.59,74.04 29.59,75.82 32.5,78.72 33.47,78.72 36.76,82.02 36.76,82.47 37.06,82.76 38.47,82.76 38.57,82.86 38.57,83.26 38.47,83.36 37.06,83.36 36.76,83.66 36.76,84.34 37.06,84.64 38.47,84.64 38.57,84.74 38.57,85.13 38.47,85.23 37.06,85.23 36.76,85.53 36.76,86.4 40.88,90.51 42.02,90.51 46.93,95.42 48.18,95.42 v1(48.51,95.76)
RF_SYNC_2_P_H: length 4.9
  TOP w0.157: U378.6 59.92,95.02 60.2,94.74 60.2,93.98 61.21,92.97 U379.5
RF_SYNC_3_N_C: length 42.2
  TOP w0.122: R2882.2 49.04,105.75 48.64,105.75 48.51,105.63 v1(48.51,105.41)
  ART03 w0.099: J74.23 30.31,88.61 30.1,88.82 30.1,90.25 30.28,90.43 30.43,90.43 30.73,90.13 30.87,90.13 31.01,90.27 31.01,90.41 30.71,90.71 30.71,90.85 30.85,90.99 30.99,90.99 31.29,90.69 31.43,90.69 31.57,90.83 31.57,90.97 31.27,91.27 31.27,91.41 31.41,91.55 31.55,91.55 31.85,91.25 31.99,91.25 32.13,91.39 32.13,91.53 31.83,91.83 31.83,91.97 31.97,92.11 32.11,92.11 32.41,91.81 32.55,91.81 32.69,91.95 32.69,92.09 32.39,92.4 32.39,92.54 32.51,92.66 32.51,95.38 33.66,96.53 37.91,96.53 38,96.43 38,95.61 38.3,95.31 38.98,95.31 39.28,95.61 39.28,96.43 39.38,96.53 39.78,96.53 39.88,96.43 39.88,95.66 40.18,95.36 40.86,95.36 41.16,95.66 41.16,96.43 41.26,96.53 41.44,96.53 44.92,100 44.92,102.58 45.2,102.86 45.34,102.86 45.94,102.27 46.36,102.27 46.84,102.75 46.84,103.17 46.25,103.77 46.25,103.91 46.74,104.39 46.74,105.37 47.12,105.75 48.41,105.75 48.51,105.65 v1(48.51,105.41)
RF_SYNC_3_P: length 41.1
  TOP w0.122: v1(98.14,114) U247.W27
  TOP w0.157: U377.12 68.33,103.77 72.9,108.33 78.55,108.33 78.7,108.49 78.7,109.57 78.86,109.73 79.18,109.73 79.33,109.57 79.33,108.49 79.49,108.33 79.81,108.33 79.96,108.49 79.96,109.82 80.12,109.98 83.31,109.98 v1(87,113.67)
  ART10 w0.102: 94.87,114.4 97.74,114.4 v1(98.14,114)
  ART10 w0.117: 94.87,114.4 93.82,114.4 92.33,112.9 88.14,112.9 87.38,113.67 v1(87,113.67)
RF_SYNC_3_P_C: length 42.2
  TOP w0.122: R2881.2 49.04,106.08 48.64,106.08 48.51,106.21 v1(48.51,106.43)
  ART03 w0.099: v1(48.51,106.43) 48.18,106.09 46.97,106.09 46.39,105.51 46.39,104.54 45.91,104.05 45.91,103.62 46.5,103.03 46.5,102.89 46.22,102.61 46.08,102.61 45.48,103.2 45.06,103.2 44.58,102.72 44.58,100.14 41.3,96.87 41.12,96.87 40.82,96.57 40.82,95.81 40.72,95.71 40.32,95.71 40.22,95.81 40.22,96.57 39.92,96.87 39.24,96.87 38.94,96.57 38.94,95.76 38.84,95.66 38.45,95.66 38.35,95.76 38.35,96.57 38.05,96.87 33.52,96.87 32.17,95.52 32.17,92.8 29.76,90.39 29.76,88.07 30.42,87.41 30.42,85.13 J74.10
RF_SYNC_3_P_H: length 4.9
  TOP w0.157: U377.5 61.21,103.77 60.2,104.78 60.2,105.54 59.92,105.81 U376.6
RF_SYNC_4_N_C: length 46.5
  TOP w0.122: v1(48.51,83.95) 48.51,84.17 48.64,84.29 49.04,84.29 R2930.2
  ART03 w0.099: J94.23 30.26,60.67 29.93,61 29.93,62.06 30.73,62.86 30.87,62.86 31.06,62.67 31.2,62.67 31.34,62.81 31.34,62.95 31.15,63.14 31.15,63.28 31.29,63.42 31.43,63.42 31.73,63.12 31.87,63.12 32.01,63.26 32.01,63.4 31.71,63.7 31.71,63.84 31.85,63.98 31.99,63.98 32.29,63.68 32.43,63.68 32.57,63.82 32.57,63.96 32.27,64.26 32.27,64.4 32.64,64.77 33.71,64.77 33.81,64.67 33.81,64.51 33.91,64.41 34.1,64.41 34.2,64.51 34.2,64.67 34.3,64.77 34.5,64.77 34.6,64.67 34.6,64.51 34.7,64.41 34.9,64.41 35,64.51 35,64.67 35.1,64.77 35.29,64.77 35.39,64.67 35.39,64.51 35.49,64.41 35.69,64.41 35.79,64.51 35.79,64.67 35.89,64.77 36.58,64.77 38.1,66.29 38.1,74.87 40.96,77.73 41.1,77.73 41.51,77.32 41.93,77.32 42.42,77.8 42.42,78.22 42,78.63 42,78.77 42.29,79.05 42.43,79.05 42.84,78.64 43.26,78.64 43.74,79.12 43.74,79.55 43.33,79.96 43.33,80.1 43.61,80.38 43.75,80.38 44.16,79.97 44.59,79.97 45.07,80.45 45.07,80.87 44.66,81.29 44.66,81.43 44.94,81.71 45.08,81.71 45.49,81.29 45.91,81.29 46.4,81.78 46.4,82.2 45.98,82.61 45.98,82.75 47.52,84.28 48.18,84.28 v1(48.51,83.95)